# KiCad board TB9051FTG_Motortreiber_V1.0_geoeffnet.kicad_pcb
title: TB9051FTG Motortreiber; date: 2022-05-19; rev: V1.0; company: (C) Uwe Zimprich
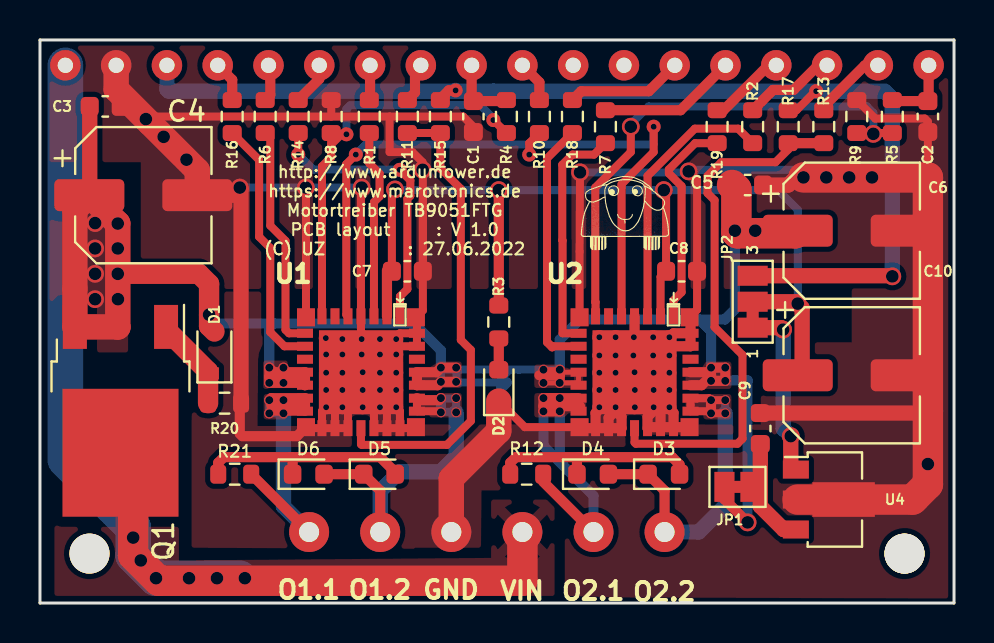
[diagram p0: board, top side]
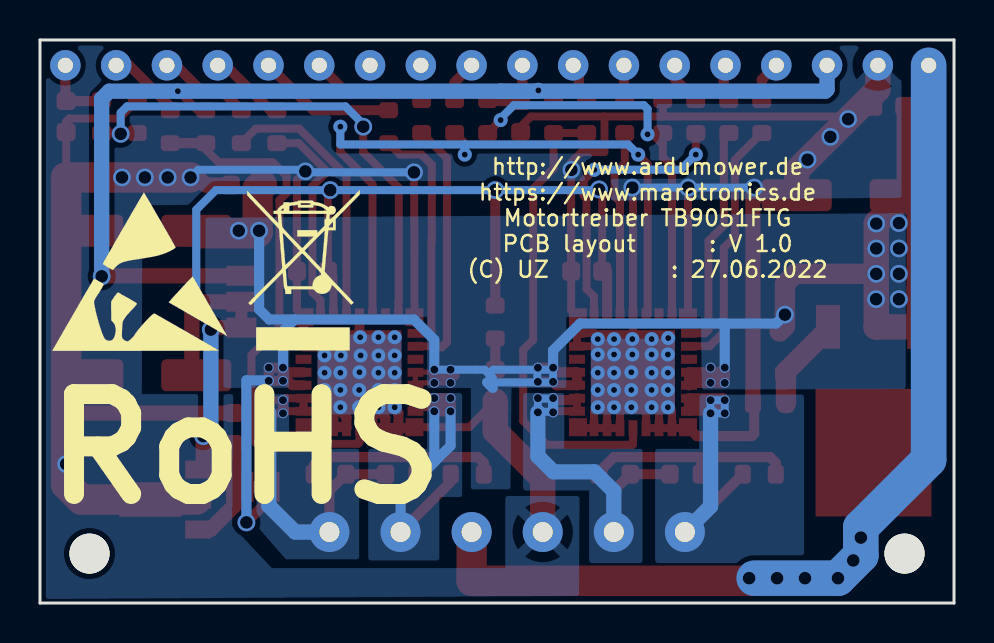
[diagram p1: board, bottom side, seen from below]

Outline 45.72 x 28.19 mm; copper layers: Top, Bottom. Coordinates in mm from the lower left corner of the outline.
Stack: Top 0.035mm / dielectric 0.48mm FR4 er 4.5 / Bottom 0.035mm

## Placement (name value [footprint] x y rotation side)
C1  470nF 25V  [C_0603_1608Metric]  21.68 24.36 270 top
C2  470nF 25V  [C_0603_1608Metric]  44.41 24.36 270 top
C3  100nF 50V  [C_0603_1608Metric]  3.26 24.87 0 top
C4  47uF 50V  [CP_Elec_6.3x7.7]  5.17 20.42 0 top
C5  100nF 50V  [C_0603_1608Metric]  35.39 20.93 0 top
C6  47uF 50V  [CP_Elec_6.3x7.7]  40.6 18.64 0 top
C7  100nF 50V  [C_0603_1608Metric]  18.38 16.61 180 top
C8  100nF 50V  [C_0603_1608Metric]  32.09 16.61 180 top
C9  100nF 50V  [C_0603_1608Metric]  36.03 8.74 270 top
C10  220uF 10V  [CP_Elec_6.3x4.5]  40.6 11.4 0 top
D1  ZENER 16.2V  [D_SOD-323]  8.72 12.55 90 top
D2  LED_Blau  [LED_0603_1608Metric]  22.95 10.9 90 top
D3  LED_Rot  [LED_0603_1608Metric]  31.2 6.45 0 top
D4  LED_Grün  [LED_0603_1608Metric]  27.65 6.45 0 top
D5  LED_Rot  [LED_0603_1608Metric]  16.98 6.45 0 top
D6  LED_Grün  [LED_0603_1608Metric]  13.42 6.45 0 top
H1  WEEE-Logo  [WEEE-Logo_5.6x8mm_SilkScreen]  32.55 16.66 180 bottom
H2  ESD-Logo  [ESD-Logo_8.9x8mm_SilkScreen]  40.73 16.61 180 bottom
H3  -  [Logo_Ardumower_05mm]  29.17 19.53 0 top
JP1  Jumper_gebrückt  [SolderJumper-2_P1.3mm_Bridged_Pad1.0x1.5mm]  34.89 5.82 0 top
JP2  Jumper_1-2_gebrückt  [SolderJumper-3_P1.3mm_Bridged12_Pad1.0x1.5mm_NumberLabels]  35.65 15.09 90 top
Q1  D4185  [TO-252-2]  4.03 9.63 270 top
R1  1k  [R_0603_1608Metric]  16.47 24.36 270 top
R2  1k  [R_0603_1608Metric]  35.65 23.85 270 top
R3  270  [R_0603_1608Metric]  22.95 14.07 270 top
R4  1k  [R_0603_1608Metric]  23.33 24.36 270 top
R5  1k  [R_0603_1608Metric]  42.63 24.36 270 top
R6  1k  [R_0603_1608Metric]  11.26 24.36 270 top
R7  1k  [R_0603_1608Metric]  28.28 23.85 270 top
R8  180  [R_0603_1608Metric]  14.57 24.36 90 top
R9  180  [R_0603_1608Metric]  40.86 24.36 90 top
R10  1k  [R_0603_1608Metric]  24.98 24.36 270 top
R11  220  [R_0603_1608Metric]  18.38 24.36 270 top
R12  4.7k  [R_0603_1608Metric]  24.35 6.45 180 top
R13  220  [R_0603_1608Metric]  39.2 23.85 270 top
R14  1k  [R_0603_1608Metric]  12.92 24.36 270 top
R15  10k  [R_0603_1608Metric]  20.03 24.36 90 top
R16  1k  [R_0603_1608Metric]  9.61 24.36 270 top
R17  10k  [R_0603_1608Metric]  37.43 23.85 90 top
R18  1k  [R_0603_1608Metric]  26.63 24.36 270 top
R19  1k  [R_0603_1608Metric]  33.87 23.85 270 top
R20  100k  [R_0603_1608Metric]  9.23 10.01 180 top
R21  4.7k  [R_0603_1608Metric]  9.74 6.45 180 top
U1  -  [TB9051FTG]  16.06 11.56 180 top
U2  -  [TB9051FTG]  29.74 11.56 180 top
U3  Motortreiber TB9051FTG  [MC33926_24_Pin_spezial_ohne_2te_Reihe]  -3.81 -10.92 0 top
U4  L78L05_SOT89  [SOT-89-3]  39.46 5.18 0 top

## Library data of the parts
C1 C2 = -: Description: Unpolarized capacitor, small symbol; Beschreibung: 25V 470nF X7R ±10% 0603 Multilayer Ceramic Capacitors MLCC - SMD/SMT ROHS; Bestelllink: https://jlcpcb.com/parts/componentSearch?isSearch=true&searchTxt=0.47%200603; Bestücken (Assemble): JA (YES); Gehäuse: 0603; JLCPCB Basic / Extern: Basic; JLCPCB LCSC Part: C1623; Manufacturer_Name: CL10B474KA8NNNC; Manufacturer_Part_Number: Samsung Electro-Mechanics
C3 C5 = -: Description: Unpolarized capacitor, small symbol; Beschreibung: 50V 100nF X7R ±10% 0603 Multilayer Ceramic Capacitors MLCC - SMD/SMT ROHS; Bestelllink: https://jlcpcb.com/parts/componentSearch?isSearch=true&searchTxt=47uf; Bestücken (Assemble): JA (YES); Gehäuse: 0603; JLCPCB Basic / Extern: Basic; JLCPCB LCSC Part: C14663; Manufacturer_Name: CC0603KRX7R9BB104; Manufacturer_Part_Number: YAGEO
C4 C6 = -: Description: Polarized capacitor, small symbol; Beschreibung: 1000hrs@105℃ -45℃~+105℃ 47uF 7.7mm 50V 6.3mm ±20% SMD,6.3x7.7mm Aluminum Electrolytic Capacitors - SMD ROHS; Bestelllink: https://jlcpcb.com/parts/componentSearch?isSearch=true&searchTxt=47uf; Bestücken (Assemble): JA (YES); Gehäuse: SMD,6.3x7.7mm; JLCPCB Basic / Extern: Extern; JLCPCB LCSC Part: C108053; Manufacturer_Name: VES470M1HTR-0607; Manufacturer_Part_Number: Lelon
C7-C9 = -: Description: 50V 100nF X7R ±10% 0603 Multilayer Ceramic Capacitors MLCC - SMD/SMT ROHS; Beschreibung: 50V 100nF X7R ±10% 0603 Multilayer Ceramic Capacitors MLCC - SMD/SMT ROHS; Bestelllink: https://jlcpcb.com/parts/componentSearch?isSearch=true&searchTxt=47uf; Bestücken (Assemble): JA (YES); Gehäuse: 0603; JLCPCB Basic / Extern: Basic; JLCPCB LCSC Part: C14663; Manufacturer_Name: CC0603KRX7R9BB104; Manufacturer_Part_Number: YAGEO
C10 = -: Description: Polarized capacitor; Beschreibung: 2000hrs@105℃ 220uF 10V SMD,6.3x5.4mm  Aluminum Electrolytic Capacitors - SMD ROHS; Bestelllink: https://jlcpcb.com/parts/componentSearch?isFirstLevel=true&firstName=Capacitors; Bestücken (Assemble): JA (YES); Gehäuse: SMD,6.3x5.4mm; JLCPCB Basic / Extern: Extern; JLCPCB LCSC Part: C2833309; Manufacturer_Name: KNSCHA; Manufacturer_Part_Number: RVT220UF10V67RV0037
D1 = -: Description: 50nA@11.2V 40Ω Single 15.3V~17.1V 300mW 16.2V SOD-323 Zener Diodes ROHS; Beschreibung: 50nA@11.2V 40Ω Single 15.3V~17.1V 300mW 16.2V SOD-323 Zener Diodes ROHS; Bestelllink: https://jlcpcb.com/parts/componentSearch?isSearch=true&searchTxt=zener%200603; Bestücken (Assemble): JA (YES); Gehäuse: SOD-323; JLCPCB Basic / Extern: Extern; JLCPCB LCSC Part: C150089; Manufacturer_Name: MM3Z16VT1G; Manufacturer_Part_Number: onsemi
D2 = -: Description: Light emitting diode, small symbol; Beschreibung: blue 0603 Light Emitting Diodes (LED) ROHS; Bestelllink: https://jlcpcb.com/parts/componentSearch?isSearch=true&searchTxt=led%20gren%200603; Bestücken (Assemble): JA (YES); Gehäuse: 0603; JLCPCB Basic / Extern: Extern; JLCPCB LCSC Part: C193191; Manufacturer_Name: Orient; Manufacturer_Part_Number: ORH-B36G
D3 D5 = -: Description: Light emitting diode, small symbol; Beschreibung: Red 615~630nm 1.9~2.2V 0603 Light Emitting Diodes (LED) RoHS; Bestelllink: https://jlcpcb.com/parts/componentSearch?isSearch=true&searchTxt=C22548; Bestücken (Assemble): JA (YES); Gehäuse: 0603; JLCPCB Basic / Extern: Basic; JLCPCB LCSC Part: C2286; Manufacturer_Name: Hubei KENTO Elec; Manufacturer_Part_Number: KT-0603R
D4 D6 = -: Description: Light emitting diode, small symbol; Beschreibung: Emerald 0603 Light Emitting Diodes (LED) ROHS; Bestelllink: https://jlcpcb.com/parts/componentSearch?isSearch=true&searchTxt=led%20gren%200603; Bestücken (Assemble): JA (YES); Gehäuse: 0603; JLCPCB Basic / Extern: Extern; JLCPCB LCSC Part: C205443; Manufacturer_Name: Orient; Manufacturer_Part_Number: ORH-G36G
JP1 = -: Description: Solder Jumper, 2-pole, closed/bridged
JP2 = -: Description: 3-pole Solder Jumper, pins 1+2 closed/bridged
Q1 = -: Description: P-MOSFET transistor, gate/drain/source; Beschreibung: TO-252 MOSFETs ROHS; Bestelllink: https://jlcpcb.com/parts/componentSearch?isSearch=true&searchTxt=C879147; Bestücken (Assemble): JA (YES); Gehäuse: TO-252-2; JLCPCB Basic / Extern: Extern; JLCPCB LCSC Part: C879147; Manufacturer_Name: VBsemi Elec; Manufacturer_Part_Number: AOD4185
R1 R2 R4-R7 R10 R14 R16 R18 R19 = -: Description: Resistor, small symbol; Beschreibung: ±1% 1/10W Thick Film Resistors 75V ±100ppm/℃ -55℃~+155℃ 1kΩ 0603 Chip Resistor - Surface Mount ROHS; Bestelllink: https://jlcpcb.com/parts/componentSearch?isFirstLevel=true&firstName=Resistors; Bestücken (Assemble): JA (YES); Gehäuse: 0603; JLCPCB Basic / Extern: Basic; JLCPCB LCSC Part: C21190; Manufacturer_Name: UNI-ROYAL(Uniroyal Elec); Manufacturer_Part_Number: 0603WAF1001T5E
R3 = -: Description: Resistor, small symbol; Beschreibung: 1/10W Thick Film Resistors 75V ±1% ±100ppm/℃ -55℃~+155℃ 270Ω 0603  Chip Resistor - Surface Mount ROHS; Bestelllink: https://jlcpcb.com/parts/componentSearch?isSearch=true&searchTxt=C22966; Bestücken (Assemble): JA (YES); Gehäuse: 0603; JLCPCB Basic / Extern: Basic; JLCPCB LCSC Part: C22966; Manufacturer_Name: UNI-ROYAL(Uniroyal Elec); Manufacturer_Part_Number: 0603WAF2700T5E
R8 R9 = -: Description: Resistor, small symbol; Beschreibung: 1/10W Thick Film Resistors 75V ±1% ±100ppm/℃ -55℃~+155℃ 180Ω 0603  Chip Resistor - Surface Mount ROHS; Bestelllink: https://jlcpcb.com/parts/componentSearch?isSearch=true&searchTxt=180r; Bestücken (Assemble): JA (YES); Gehäuse: 0603; JLCPCB Basic / Extern: Basic; JLCPCB LCSC Part: C22828; Manufacturer_Name: UNI-ROYAL(Uniroyal Elec); Manufacturer_Part_Number: 0603WAF1800T5E
R11 R13 = -: Description: Resistor, small symbol; Beschreibung: ±1% 1/10W Thick Film Resistors 75V ±100ppm/℃ -55℃~+155℃ 220Ω 0603 Chip Resistor - Surface Mount ROHS; Bestelllink: https://jlcpcb.com/parts/componentSearch?isFirstLevel=true&firstName=Resistors; Bestücken (Assemble): JA (YES); Gehäuse: 0603; JLCPCB Basic / Extern: Basic; JLCPCB LCSC Part: C22962; Manufacturer_Name: UNI-ROYAL(Uniroyal Elec); Manufacturer_Part_Number: 0603WAF2200T5E
R12 R21 = -: Description: Resistor, small symbol; Beschreibung: ±1% 1/10W Thick Film Resistors 75V ±100ppm/℃ -55℃~+155℃ 4.7kΩ 0603 Chip Resistor - Surface Mount ROHS; Bestelllink: https://jlcpcb.com/parts/componentSearch?isFirstLevel=true&firstName=Resistors; Bestücken (Assemble): JA (YES); Gehäuse: 0603; JLCPCB Basic / Extern: Basic; JLCPCB LCSC Part: C23162; Manufacturer_Name: UNI-ROYAL(Uniroyal Elec); Manufacturer_Part_Number: 0603WAF4701T5E
R15 R17 = -: Description: Resistor, small symbol; Beschreibung: ±1% 1/10W Thick Film Resistors 75V ±100ppm/℃ -55℃~+155℃ 10kΩ 0603 Chip Resistor - Surface Mount ROHS; Bestelllink: https://jlcpcb.com/parts/componentSearch?isSearch=true&searchTxt=led%20gren%200603; Bestücken (Assemble): JA (YES); Gehäuse: 0603; JLCPCB Basic / Extern: Basic; JLCPCB LCSC Part: C25804; Manufacturer_Name: UNI-ROYAL(Uniroyal Elec); Manufacturer_Part_Number: 0603WAF1002T5E
R20 = -: Description: Resistor, small symbol; Beschreibung: ±1% 1/10W Thick Film Resistors 75V ±100ppm/℃ -55℃~+155℃ 100kΩ 0603 Chip Resistor - Surface Mount ROHS; Bestelllink: https://jlcpcb.com/parts/componentSearch?isFirstLevel=true&firstName=Resistors; Bestücken (Assemble): JA (YES); Gehäuse: 0603; JLCPCB Basic / Extern: Basic; JLCPCB LCSC Part: C25803; Manufacturer_Name: UNI-ROYAL(Uniroyal Elec); Manufacturer_Part_Number: 0603WAF1003T5E
U1 U2 = -: Description: PWM type single channel H-Bridge DC brushed motor driver for automotive use; Beschreibung: PWM type single channel H-Bridge DC brushed motor driver for automotive use; Bestelllink: https://jlcpcb.com/parts/componentSearch?isSearch=true&searchTxt=TB9051FTG; Bestücken (Assemble): JA (YES); Gehäuse: UQFN-28; Height: 1.8; JLCPCB Basic / Extern: Extern; JLCPCB LCSC Part: C2150635; Manufacturer_Name: Toshiba; Manufacturer_Part_Number: TB9051FTG,EL
U4 = -: Description: Positive 100mA 30V Linear Regulator, Fixed Output 5V, SOT-89; Beschreibung: 100mA 1.7V@(40mA) Fixed 5V~5V Positive 1 30V SOT-89(SOT-89-3)  Linear Voltage Regulators (LDO) ROHS; Bestelllink: https://jlcpcb.com/parts/componentSearch?isSearch=true&searchTxt=c71136; Bestücken (Assemble): JA (YES); Gehäuse: SOT-89-3; JLCPCB Basic / Extern: Basic; JLCPCB LCSC Part: C71136; Manufacturer_Name: UTC(Unisonic Tech); Manufacturer_Part_Number: 78L05G-AB3-R

## Footprints (pads in the part's own frame, mm; a bottom-side part is the same pattern mirrored in y, then rotated)
C_0603_1608Metric
  rrect 0.9x0.95 smd: 1(-0.775,0) 2(0.775,0)
CP_Elec_6.3x4.5
  rrect 3.5x1.6 smd: 1(-2.7,0) 2(2.7,0)
CP_Elec_6.3x7.7
  rrect 3.5x1.6 smd: 1(-2.7,0) 2(2.7,0)
D_SOD-323
  rect 0.6x0.45 smd: 1(-1.05,0) 2(1.05,0)
LED_0603_1608Metric
  rrect 0.875x0.95 smd: 1(-0.787,0) 2(0.787,0)
MC33926_24_Pin_spezial_ohne_2te_Reihe
  round 2 hole 2: (6.287,13.399) (47.053,13.399)
  round 1.524 hole 0.762: 1(5.08,37.846) 2(7.62,37.846) 3(10.16,37.846) 4(12.7,37.846) 5(15.24,37.846) 6(17.78,37.846) 7(20.32,37.846) 8(22.86,37.846) 9(25.4,37.846) 10(27.94,37.846) 11(30.48,37.846) 12(33.02,37.846) 13(35.56,37.846) 14(38.1,37.846) 15(40.64,37.846) 16(43.18,37.846) 17(45.72,37.846) 18(48.26,37.846)
  round 2 hole 1: 19(17.272,14.478) 20(20.828,14.478) 21(24.384,14.478) 22(27.94,14.478) 23(31.496,14.478) 24(35.052,14.478)
R_0603_1608Metric
  rrect 0.8x0.95 smd: 1(-0.825,0) 2(0.825,0)
SolderJumper-2_P1.3mm_Bridged_Pad1.0x1.5mm
  rect 1x1.5 smd: 1(-0.65,0) 2(0.65,0)
SolderJumper-3_P1.3mm_Bridged12_Pad1.0x1.5mm_NumberLabels
  rect 1x1.5 smd: 1(-1.3,0) 2(0,0) 3(1.3,0)
SOT-89-3
  rect 1.3x0.9 smd: 1(-1.65,1.5) 3(-1.65,-1.5)
  custom 1.475x0.9 smd: 2(-1.562,0)
TB9051FTG
  rect 0.45x0.8 smd: 1(-1.95,-2.8) 2(-1.3,-2.8) 3(-0.65,-2.8) 4(0,-2.8) 5(0.65,-2.8) 6(1.3,-2.8) 7(1.95,-2.8) 15(1.95,2.8) 16(1.3,2.8) 17(0.65,2.8) 18(0,2.8) 19(-0.65,2.8) 20(-1.3,2.8) 21(-1.95,2.8)
  rect 0.8x0.45 smd: 8(2.8,-1.95) 9(2.8,-1.3) 10(2.8,-0.65) 11(2.8,0) 12(2.8,0.65) 13(2.8,1.3) 14(2.8,1.95) 22(-2.8,1.95) 23(-2.8,1.3) 24(-2.8,0.65) 25(-2.8,0) 26(-2.8,-0.65) 27(-2.8,-1.3) 28(-2.8,-1.95)
  rect 4.2x4.2 smd: 29(0,0)
  rect 0.9x0.9 smd: C1(-2.75,-2.75) C2(2.75,-2.75) C3(2.75,2.75) C4(-2.75,2.75)
TO-252-2
  rect 3.05x2.75 smd: (0.425,1.525) (0.425,-1.525) (3.775,1.525) (3.775,-1.525)
  rect 2.2x1.2 smd: 1(-4.2,2.28) 3(-4.2,-2.28)
  rect 6.4x5.8 smd: 2(2.1,0)

## Nets
5V_OUT: C7.2 C8.2 C10.1 JP2.2 R3.1 U1.2 U2.2
GND: C1.2 C2.2 C3.2 C4.2 C5.2 C6.2 C7.1 C8.1 C9.1 C10.2 D2.1 R8.2 R9.2 R20.1 U1.4 U1.15 U1.16 U1.17 U1.19 U1.20 U1.21 U1.27 U1.28 U1.29 U1.C1 U1.C2 U1.C3 U1.C4 U2.4 U2.15 U2.16 U2.17 U2.19 U2.20 U2.21 U2.27 U2.28 U2.29 U2.C1 U2.C2 U2.C3 U2.C4 U3.2 U3.21 U4.2
VIN: Q1.2 U3.1 U3.22
EN: R10.2 U1.5 U2.5
IORF: JP2.3 R15.2 R17.2 U3.3
M1D1-7->U1-ENB-3: R1.2 U1.3
M1FB-9->U1-OCM-7: C1.1 R4.1 U3.9
M1IN1-5->U1-PWM1-8: R6.2 U1.8
M1IN2-4->U1-PWM2-9: R16.2 U1.9
M1nD2-6->U1-OCC-1: R14.2 U1.1
M1nSF-8->U1-DIAG-18: R11.1 U3.8
M1OUT1: R21.1 U1.13 U1.14 U3.19
M1OUT2: D5.1 D6.2 U1.22 U1.23 U3.20
M2_FB-18->U2-OCM-7: C2.1 R5.1 U3.18
M2D1-16->U2-ENB-3: R2.2 U2.3
M2IN1-14->U2-PWM1-8: R7.2 U2.8
M2IN2-13->U2-PWM2-9: R18.2 U2.9
M2nD2-15->U2-OCC-1: R19.2 U2.1
M2nSF-17->U2-DIAG-18: R13.1 U3.17
M2OUT1: R12.1 U2.13 U2.14 U3.23
M2OUT2: D3.1 D4.2 U2.22 U2.23 U3.24
VOUT: C3.1 C4.1 C5.1 C6.1 D1.2 JP1.1 Q1.3 U1.11 U1.12 U1.24 U1.25 U2.11 U2.12 U2.24 U2.25
Net-(D1-A): D1.1 Q1.1 R20.2
Net-(D2-A): D2.2 R3.2
Net-(D3-A): D3.2 D4.1 R12.2
Net-(D5-A): D5.2 D6.1 R21.2
Net-(JP1-B): C9.2 JP1.2 U4.3
Net-(JP2-A): JP2.1 U4.1
Net-(U1-DIAG): R11.2 R15.1 U1.18
Net-(U1-OCM): R4.2 R8.1 U1.7
Net-(U2-DIAG): R13.2 R17.1 U2.18
Net-(U2-OCM): R5.2 R9.1 U2.7
Net-(U3-EN): R10.1 U3.10
Net-(U3-M1D1): R1.1 U3.7
Net-(U3-M1IN1): R6.1 U3.5
Net-(U3-M1IN2): R16.1 U3.4
Net-(U3-M1nD2): R14.1 U3.6
Net-(U3-M2D1): R2.1 U3.16
Net-(U3-M2IN1): R7.1 U3.14
Net-(U3-M2IN2): R18.1 U3.13
Net-(U3-M2nD2): R19.1 U3.15

Pads without a net: U1 6 10 26; U2 6 10 26; U3 11 12

## Via types
v1: diameter 0.889, hole 0.635, Top to Bottom, 41 vias
v2: diameter 0.7, hole 0.3, Top to Bottom, 59 vias
v3: diameter 0.5, hole 0.4, Top to Bottom, 32 vias

## Routing (per net, layer and track width the routed paths; a pad name or vN(x,y) marks a point on that pad's centre or on a via; arc(x,y) is an arc through that point)
5V_OUT: length 49.7
  Top w0.4: C7.2 17.6,20.56 v1(17.76,20.71) ; U2.2 31.04,16.33 C8.2 31.32,20.56 v1(31.2,20.68)
  Top w0.508: U1.2 17.36,16.66 ; R3.1 v1(22.95,20.68)
  Top w0.762: JP2.2 37.81,15.09 v1(37.9,14.99) 38.12,14.77 38.12,11.63
  Bottom w0.4: v1(17.76,20.71) 17.79,20.68 v1(22.95,20.68) v1(31.2,20.68) 36.92,20.68 37.9,19.69 v1(37.9,14.99)
GND: length 224.7
  Top w0.4: 43.78,5.31 44.54,6.07 44.54,17.5 43.4,18.64 ; v1(27.01,21.56) 26.99,17.6 U2.C2 ; 15.41,10.91 U1.17 U1.16 ; v1(13.3,20.8) 13.31,20.79 U1.C2 ; 19.15,20.54 C7.1 ; C6.2 44.41,19.75 C2.2 44.41,24.1 44.26,24.26 41.78,24.26 R9.2 ; 5.49,24.04 5.8,24.36 14.57,24.36 ; U1.16 U1.15 ; U1.16 14.76,10.26 ; 14.57,24.36 17.49,24.36 ; 14.57,24.36 R8.2 ; C1.2 21.68,23.85 21.17,24.36 17.49,24.36 ; D2.1 24.25,8.81 U2.C3 ; U1.15 13.36,8.76 ; U1.15 14.11,9.61 U1.29 ; U1.21 18.01,9.61 U1.29 ; U1.21 18.76,8.76 ; U1.21 U1.20 ; 16.09,13.56 16.06,13.6 U1.4 16.06,20.77 v1(16.09,20.8) ; U1.29 18.01,13.51 U1.28 ; 17.36,12.86 U1.27 U1.28 ; U1.28 18.86,14.26 ; v1(32.45,21.61) 32.87,21.19 C8.1 32.87,14.68 U2.C1 ; U1.C1 19.15,14.65 C7.1 ; 5.32,24.26 v1(5.3,24.23) ; C7.1 19.15,21.68 v1(19.14,21.69) 19.14,22.07 18.63,22.58 17.49,22.58 17.49,24.36 ; U1.20 17.36,10.26 ; U1.20 U1.19 16.71,10.91
  Top w0.508: v2(29.74,11.56) 31.69,13.51 U2.28 ; 31.58,9.63 31.69,9.52 U2.21 ; U2.28 U2.27 31.04,12.86 ; U2.28 32.54,14.26 ; U1.C3 12.85,8.36 10.12,8.36 9.99,8.48 9.99,9.94 ; U2.16 28.44,9.28 28.79,9.63 29.09,9.33 U2.17 27.04,8.76 ; U2.15 27.79,9.51 27.9,9.63 ; U2.4 29.74,12.61 ; U2.20 31.04,10.26 ; 30.7,9.63 30.39,9.32 U2.19 30.44,8.81 U2.C4
  Top w0.762: 44.41,9.63 44.3,9.51 C9.1 ; C4.2 9.74,20.42 9.99,20.68 v1(9.99,20.8) 10.06,20.74 R20.1 ; C5.2 37.43,20.93 37.81,21.31 v1(38.19,21.31)
  Top w1.27: U3.21 20.57,6.24 22.95,8.61 D2.1 ; C4.2 7.87,21.66 3.81,25.72 U3.2
  Top w1.524: v1(38.19,21.31) 44.41,21.31 44.41,5.94 43.65,5.18 U4.2
  Bottom w0.4: v1(27.01,21.56) 32.4,21.56 v1(32.45,21.61) 32.53,21.69 37.81,21.69 v1(38.19,21.31) ; v1(16.09,20.8) v1(9.99,20.8)
  vias: v1(6.18,23.34) v1(7.33,22.2) v1(39.33,21.31) v1(40.47,21.31) v1(41.62,21.31) v1(44.41,6.96) v2(14.3,13.27) v2(14.31,12.45) v2(14.31,11.53) v2(14.31,10.67) v2(14.31,9.8) v2(15.13,13.22) v2(15.13,12.45) v2(15.13,11.53) v2(15.13,10.67) v2(15.13,9.8) v2(16.09,13.22) v2(16.09,12.45) v2(16.14,11.56) v2(16.14,10.67) v2(16.14,9.8) v2(17.01,13.22) v2(17.01,12.45) v2(17.01,11.53) v2(17.01,10.67) v2(17.01,9.8) v2(17.82,13.22) v2(17.82,12.45) v2(17.82,11.53) v2(17.82,10.67) v2(17.82,9.8) v2(27.98,13.31) v2(27.98,12.4) v2(27.98,11.53) v2(27.98,10.67) v2(27.98,9.8) v2(28.79,13.31) v2(28.79,12.4) v2(28.79,11.53) v2(28.79,10.67) v2(28.79,9.8) v2(29.71,13.31) v2(29.68,12.4) v2(29.76,10.67) v2(29.76,9.8) v2(30.67,13.31) v2(30.67,12.4) v2(30.7,11.53) v2(30.7,10.67) v2(30.7,9.8) v2(31.48,13.31) v2(31.48,12.4) v2(31.48,11.53) v2(31.48,10.67) v2(31.48,9.8)
VIN: length 58.7
  Top w1.524: U3.22 24.13,1.12 5.93,1.12 4.66,2.39 4.66,6.89
  Bottom w1.778: U3.1 1.27,7.18 4.66,3.78 4.66,2.39 v1(5.8,1.24) 9.99,1.24
  vias: v1(4.66,3.28) v1(5.04,2.13) v1(7.45,1.24) v1(8.85,1.24) v1(10.25,1.24)
EN: length 36.3
  Top w0.4: v2(15.8,22.45) 15.32,21.98 15.32,14.44 U1.5 ; R10.2 24.47,23.03 v2(24.47,22.45) ; U2.5 29.09,20.97 30.7,22.58 v2(30.7,23.85)
  Bottom w0.4: v2(24.47,22.45) 24.47,22.96 ; 24.47,22.96 30.7,22.96 v2(30.7,23.85) ; 24.47,22.96 16.31,22.96 v2(15.8,22.45)
IORF: length 58.2
  Top w0.4: 38.8,25.64 37.84,24.68 R17.2
  Top w0.508: v2(20.79,25.67) 20.45,25.67 20.03,25.25
  Top w0.762: v1(42.63,16.36) 42.6,16.39 JP2.3
  Bottom w0.762: U3.3 6.35,25.72 6.44,25.63 22.69,25.63 ; 22.69,25.63 20.83,25.63 v2(20.79,25.67) ; 22.69,25.63 v2(38.82,25.63) 42.25,25.63 42.63,25.25 v1(42.63,16.36)
M1D1-7->U1-ENB-3: length 9.5
  Top w0.4: U1.3 16.71,20.08 16.99,20.36 16.99,21.5 16.47,22.02 R1.2
M1FB-9->U1-OCM-7: length 3.3
  Top w0.508: U3.9 21.59,25.22 ; C1.1 23.28,25.13
M1IN1-5->U1-PWM1-8: length 11.3
  Top w0.4: U1.8 12.46,13.51 12.28,13.68 12.28,18.14 11.52,18.9 11.52,23.28 R6.2
M1IN2-4->U1-PWM2-9: length 12.8
  Top w0.4: U1.9 12.23,12.86 11.52,13.56 11.52,17.78 10.96,18.34 10.96,22.19 R16.2
M1nD2-6->U1-OCC-1: length 14.2
  Top w0.4: v2(12.92,22.45) R14.2 ; U1.1 18.01,15.35 18.38,15.72 18.38,20.24 18.52,20.39 18.52,21.16 v2(18,21.69)
  Bottom w0.4: v2(12.92,22.45) 13.67,21.7 17.99,21.7 v2(18,21.69)
M1nSF-8->U1-DIAG-18: length 1.6
  Top w0.508: R11.1 18.76,25.56 18.76,26.63
M1OUT1: length 19.3
  Top w0.508: 13.26,9.92 U1.13 11.57,10.26 v3(11.47,10.16) ; 13.26,9.92 11.58,9.92 11.57,9.91 ; 13.26,9.92 13.26,9.64 11.6,9.64 v3(11.47,9.5) ; 13.46,3.56 R21.1
  Bottom w0.4: v3(11.47,10.16) v3(11.47,9.5) v3(12.18,9.5) v3(12.18,10.16) v3(11.47,10.16)
  Bottom w0.762: v3(12.18,9.5) 12.18,4.84 U3.19
M1OUT2: length 20.1
  Top w0.4: U1.23 U1.22 20,9.61 v3(20.05,9.55)
  Top w0.508: U3.20 17.02,5.63 D5.1 D6.2 ; U1.23 18.95,10.16 19.95,10.16 v3(20.05,10.26)
  Bottom w0.4: 20.05,10.24 20.84,10.24 ; v3(20.82,9.55) v3(20.82,10.26) ; 20.05,9.58 20.84,9.58
  Bottom w0.508: v3(20.05,9.55) v3(20.05,10.26)
  Bottom w0.762: U3.20 17.02,5.6 17.99,6.57 20.03,6.57 20.82,7.35 v3(20.82,9.55)
M2_FB-18->U2-OCM-7: length 3.5
  Top w0.508: C2.1 42.68,25.13 ; U3.18 44.45,25.17
M2D1-16->U2-ENB-3: length 13.6
  Top w0.4: U2.3 30.39,21.39 32.75,23.75 34.92,23.75 R2.2
M2IN1-14->U2-PWM1-8: length 11.9
  Top w0.4: R7.2 27.71,22.45 26.63,22.45 26.12,21.95 26.12,18.17 26.14,18.15 26.14,13.51 U2.8
M2IN2-13->U2-PWM2-9: length 14.5
  Top w0.254: 25.31,13.23 25.69,12.86 U2.9
  Top w0.4: R18.2 25.36,22.26 25.36,13.06 25.62,12.8 25.67,12.86 U2.9
M2nD2-15->U2-OCC-1: length 10.7
  Top w0.4: R19.2 32.77,23.03 31.46,21.71 31.46,21.51 32.09,20.87 32.09,15.56 31.69,15.16 U2.1
M2nSF-17->U2-DIAG-18: length 3.7
  Top w0.508: U3.17 41.26,26.92 39.2,24.87 R13.1
M2OUT1: length 20
  Top w0.254: R12.1 25.17,6.07
  Top w0.508: v3(26,10.26) v3(25.18,10.26) 25.18,9.86 ; v3(26,10.26) v3(26,9.6) v3(25.18,9.6) 25.18,9.86 ; v3(26,10.26) 26,10.26 U2.13 ; 25.18,9.86 27.01,9.86 ; U3.23 25.17,6.07
  Bottom w0.508: v3(25.18,9.6) 25.18,7.87 26.5,6.55 ; U3.23 27.69,5.37 26.5,6.55 ; v3(26,9.6) 26,7.06 26.5,6.55
M2OUT2: length 19
  Top w0.4: v3(34.28,9.5) v3(33.57,9.5) 33.46,9.61 U2.22 U2.23 33.47,10.26 v3(33.57,10.16) v3(34.28,10.16)
  Top w0.508: v3(33.57,9.5) v3(33.57,10.16) ; U3.24 31.24,5.63 D3.1 D4.2
  Bottom w0.4: v3(34.28,10.16) v3(34.28,9.5)
  Bottom w0.762: v3(34.28,9.5) 34.28,4.88 32.96,3.56 U3.24
VOUT: length 114.1
  Top w0.254: v3(25.18,11.68) 25.31,11.56 U2.11 U2.12 26.82,11.02 v3(25.18,11.02) v3(25.18,11.68) ; v3(25.18,11.68) v3(26,11.68)
  Top w0.508: 26,11.4 v3(26,11.02) ; 26,11.4 v3(26,11.68) ; 26,11.4 24.98,11.4 ; 12.18,11.23 v3(12.18,11.79) ; 12.18,11.23 v3(12.18,11.02) ; 12.18,11.23 12.89,11.23 12.94,11.28 12.89,11.33 11.47,11.33 ; 33.57,11.38 33.39,11.56 U2.25 ; 33.57,11.38 33.09,10.91 U2.24 ; 33.57,11.38 v3(33.57,11.13) v3(34.28,11.13) v3(34.28,11.79) v3(33.57,11.79) 33.57,11.38 ; JP1.1 34.24,5.2 v1(35.39,4.04) ; v3(20.82,11.07) v3(20.05,11.07) 19.89,10.91 U1.24 U1.25 19.82,11.56 v3(20.05,11.79) v3(20.82,11.79) ; 11.47,11.33 v3(11.47,11.02) 13.14,11.02 U1.12 U1.11 11.7,11.56 v3(11.47,11.79) 11.47,11.33
  Top w0.762: C3.1 2.49,20.44
  Top w1.016: v1(3.89,16.48) 7.95,16.48 8.46,15.98 v1(8.46,14.44) 8.46,13.86 D1.2
  Top w1.27: 3.9,13.82 3.89,13.83 ; 3.89,13.83 Q1.3 1.75,19.7 C4.1 v1(3.89,19) 3.89,13.83
  Top w1.524: 34.62,20.93 34.83,20.72 34.83,18.57 34.89,18.52 37.77,18.52 37.9,18.64
  Bottom w0.4: 20.84,11.68 23.05,11.68 23.27,11.47 ; 20.84,11.68 20.05,11.68 20.05,11.05 20.84,11.05 ; 20.84,11.68 20.84,11.05 ; 23.27,11.47 23.08,11.28 23.08,10.77 ; 23.27,11.47 23.48,11.68 25.74,11.68 ; 20.84,11.05 23.36,11.05
  Bottom w0.508: v3(33.57,11.79) 33.57,13.61 32.98,14.2 ; v1(8.46,14.44) 8.9,14 11.7,14 ; v3(26,11.68) 26,13.18 27.01,14.2 32.98,14.2 ; v3(34.28,11.13) 34.3,11.15 35.39,11.15 v1(35.39,4.04) ; 11.7,14 11.47,14 v3(11.47,11.79) ; 11.7,14 18.71,14 20.05,12.65 v3(20.05,11.79) ; 23.08,10.77 23.36,11.05 ; 32.98,14.2 34.25,14.2 34.76,14.71 v1(34.76,18.64)
  vias: v1(2.76,19.02) v1(2.76,17.75) v1(2.76,16.48) v1(2.76,15.21) v1(3.89,17.75) v1(3.9,15.21) v1(35.78,18.64)
Net-(D1-A): length 4.6
  Top w1.016: 6.31,13.7 8.41,11.59 R20.2
Net-(D2-A): length 1.6
  Top w0.508: D2.2 R3.2
Net-(D3-A): length 10.7
  Top w0.508: 26.98,7.31 31.62,7.31 31.99,6.93 D3.2 ; 26.98,7.31 23.8,7.31 23.52,7.02 R12.2 ; 26.98,7.31 26.86,7.19 D4.1
Net-(D5-A): length 10.7
  Top w0.508: 12.57,7.31 9.2,7.31 8.92,7.02 R21.2 ; 12.57,7.31 17.02,7.31 17.77,6.55 ; 12.57,7.31 12.64,7.24 D6.1
Net-(JP1-B): length 5.4
  Top w0.762: C9.2 36.03,4.85 37.2,3.68 U4.3
Net-(JP2-A): length 8.8
  Top w0.762: U4.1 37.55,6.94 v1(37.55,8.36) ; v1(37.17,13.69) 37.08,13.79 JP2.1
  Bottom w0.762: v1(37.55,8.36) 37.17,8.74 v1(37.17,13.69)
Net-(U1-DIAG): length 23.5
  Top w0.4: R11.2 R15.1 20.03,21.76 21.05,20.74 21.05,13.18 21.55,12.67 21.55,9.12 20.35,7.92 16.09,7.92 16.06,7.96 U1.18
Net-(U1-OCM): length 20.3
  Top w0.4: v2(22.68,24.18) 22.68,24.18 R4.2 ; v2(15.33,23.47) 15.07,23.47 14.57,22.96 ; 14.57,22.96 R8.1 ; 14.57,22.96 14.57,22.33 14.11,21.86 U1.7
  Bottom w0.4: v2(22.68,24.18) 22.68,24.27 22.02,24.92 15.51,24.92 15.33,24.74 v2(15.33,23.47)
Net-(U2-DIAG): length 26.8
  Top w0.4: R17.1 37.43,22.71 36.79,22.07 34.08,22.07 33.39,21.39 33.39,20.52 33.74,20.17 33.74,13.82 35.14,12.42 35.14,8.23 34.89,7.98 29.81,7.98 29.74,8.04 U2.18
  Top w0.508: R13.2 R17.1
Net-(U2-OCM): length 25.8
  Top w0.4: v1(29.55,23.85) 29.55,22.58 27.77,20.8 27.77,15.07 27.79,15.06 U2.7 ; R9.1 R5.2
  Bottom w0.4: v1(29.55,23.85) 29.55,23.98 30.44,24.87 41.36,24.87 41.68,24.55 v1(41.68,23.49)
Net-(U3-EN): length 2.1
  Top w0.508: U3.10 24.98,26.07 R10.1
Net-(U3-M1D1): length 1.7
  Top w0.508: U3.7 16.51,25.22
Net-(U3-M1IN1): length 1.8
  Top w0.508: R6.1 11.52,25.44 11.52,26.84
Net-(U3-M1IN2): length 2
  Top w0.508: U3.4 9.61,26.2 R16.1
Net-(U3-M1nD2): length 2.2
  Top w0.508: R14.1 13.97,26.24 U3.6
Net-(U3-M2D1): length 4.2
  Top w0.508: R2.1 36.66,25.69 37.69,25.69 38.93,26.92
Net-(U3-M2IN1): length 6.9
  Top w0.508: R7.1 32.04,24.68 U3.14
Net-(U3-M2IN2): length 5.8
  Top w0.508: R18.1 27.08,25.63 30.45,25.63 U3.13
Net-(U3-M2nD2): length 3.5
  Top w0.508: 36.44,26.92 34.19,24.68 R19.1

## Copper pours and planes (outline as drawn; the poured copper is in the pictures)
GND on Top: 45.43,0.23 29.04,0.28 26.25,0.36 26.25,5.64 22.09,5.64 22.06,2.77 18.76,2.77 18.76,2.72 7.58,2.77 7.58,8.92 7.71,15.6 11.14,15.6 11.14,12.95 10.96,12.55 10.91,12.19 10.88,8.86 13.93,8.86 13.96,13.61 18.17,13.67 18.22,8.94 27.72,8.94 27.62,13.67 31.84,13.67 31.79,8.94 36.06,8.94 36.06,13.06 40.6,13.06 40.6,15.72 5.04,15.72 5.04,22.07 0.47,22.07 0.47,27.91 45.43,27.91
GND on Bottom: 18.17,9.45 13.96,9.45 13.96,13.67 18.17,13.67
GND on Bottom: 31.84,9.45 27.62,9.45 27.62,13.67 31.84,13.67
GND on Bottom: 45.43,0.2 18.76,0.36 18.73,5.36 22.44,5.36 22.44,1.75 34.12,1.75 36.11,3.86 36.06,10.46 40.63,10.46 40.6,19.91 2.63,20.29 2.63,27.91 45.43,27.91
VIN on Top: 6.95,2.13 22.57,2.26 22.57,5.18 25.74,5.18 25.74,0.36 0.72,0.36 0.72,5.18 6.95,5.05
M1OUT1 on Top: 12.74,10.41 13.45,10.41 13.45,9.5 12.79,9.5 12.59,9.19 11.19,9.19 11.19,10.46 12.59,10.46
M1OUT1 on Bottom: 12.74,10.44 12.74,7.72 14.95,7.72 14.95,2.01 7.51,2.01 7.51,10.44
M1OUT2 on Top: 21.37,9.3 19.55,9.3 19.29,9.5 18.68,9.5 18.68,10.46 19.39,10.46 19.49,10.52 21.37,10.52
M1OUT2 on Bottom: 21.55,5.64 18.25,5.64 18.25,2.01 15.58,2.01 15.58,7.72 19.49,7.72 19.49,10.52 21.55,10.52
M2OUT1 on Top: 27.32,10.52 27.32,9.4 26.35,9.4 26.2,9.3 24.73,9.3 24.73,10.52
M2OUT1 on Bottom: 25.74,2.13 25.74,5.31 24.6,5.31 24.6,10.52 26.35,10.52 26.35,7.72 29.3,7.72 29.3,2.13
M2OUT2 on Top: 34.58,9.19 33.21,9.19 33.01,9.45 32.3,9.45 32.3,10.46 34.58,10.46
M2OUT2 on Bottom: 35.45,4.52 33.41,2.18 29.76,2.18 29.76,7.72 33.26,7.72 33.26,10.46 35.45,10.46
VOUT on Top: 4.41,12.55 0.47,12.55 0.47,21.82 4.41,21.82
VOUT on Top: 26.45,11.73 27.27,11.73 27.27,10.77 24.73,10.77 24.73,11.94 26.15,11.94
VOUT on Top: 34.58,10.72 32.3,10.72 32.3,11.79 33.11,11.79 33.31,12.09 34.58,12.09
VOUT on Top: 21.37,10.77 19.44,10.77 19.29,10.72 18.68,10.72 18.68,11.73 19.39,11.73 19.95,12.09 21.37,12.09
VOUT on Top: 12.64,11.79 13.55,11.79 13.55,10.77 12.84,10.77 12.74,10.72 11.16,10.72 11.16,12.14 12.64,12.14
VOUT on Bottom: 39.84,10.77 33.26,10.77 33.24,14.33 26.35,14.33 26.35,10.77 24.17,10.77 24.17,5.69 22.19,5.69 22.14,10.77 19.39,10.77 19.39,14.33 12.66,14.33 12.61,10.69 0.44,10.72 0.47,19.53 39.84,19.28

## Text on the board
B.Silkscreen: http://www.ardumower.de / https://www.marotronics.de / Motortreiber TB9051FTG / PCB layout      : V 1.0 / (C) UZ          : 27.06.2022 | RoHS
F.Silkscreen: http://www.ardumower.de / https://www.marotronics.de / Motortreiber TB9051FTG / PCB layout     : V 1.0 / (C) UZ         : 27.06.2022 | O1.1 | O1.2 | GND | VIN | O2.1 | O2.2
